# Altium PCB CameraControler0.5.PcbDoc (part 3 of 3)
Units mm, origin at the board's own origin, x right, y up, seen from the top; angles counter-clockwise.
Board outline 140 x 112 mm, 2 copper layers (Top Layer, Bottom Layer); 294 components, 219 nets, 919 pads, 337 vias.
Unrouted connection lines stored in the file: 194.
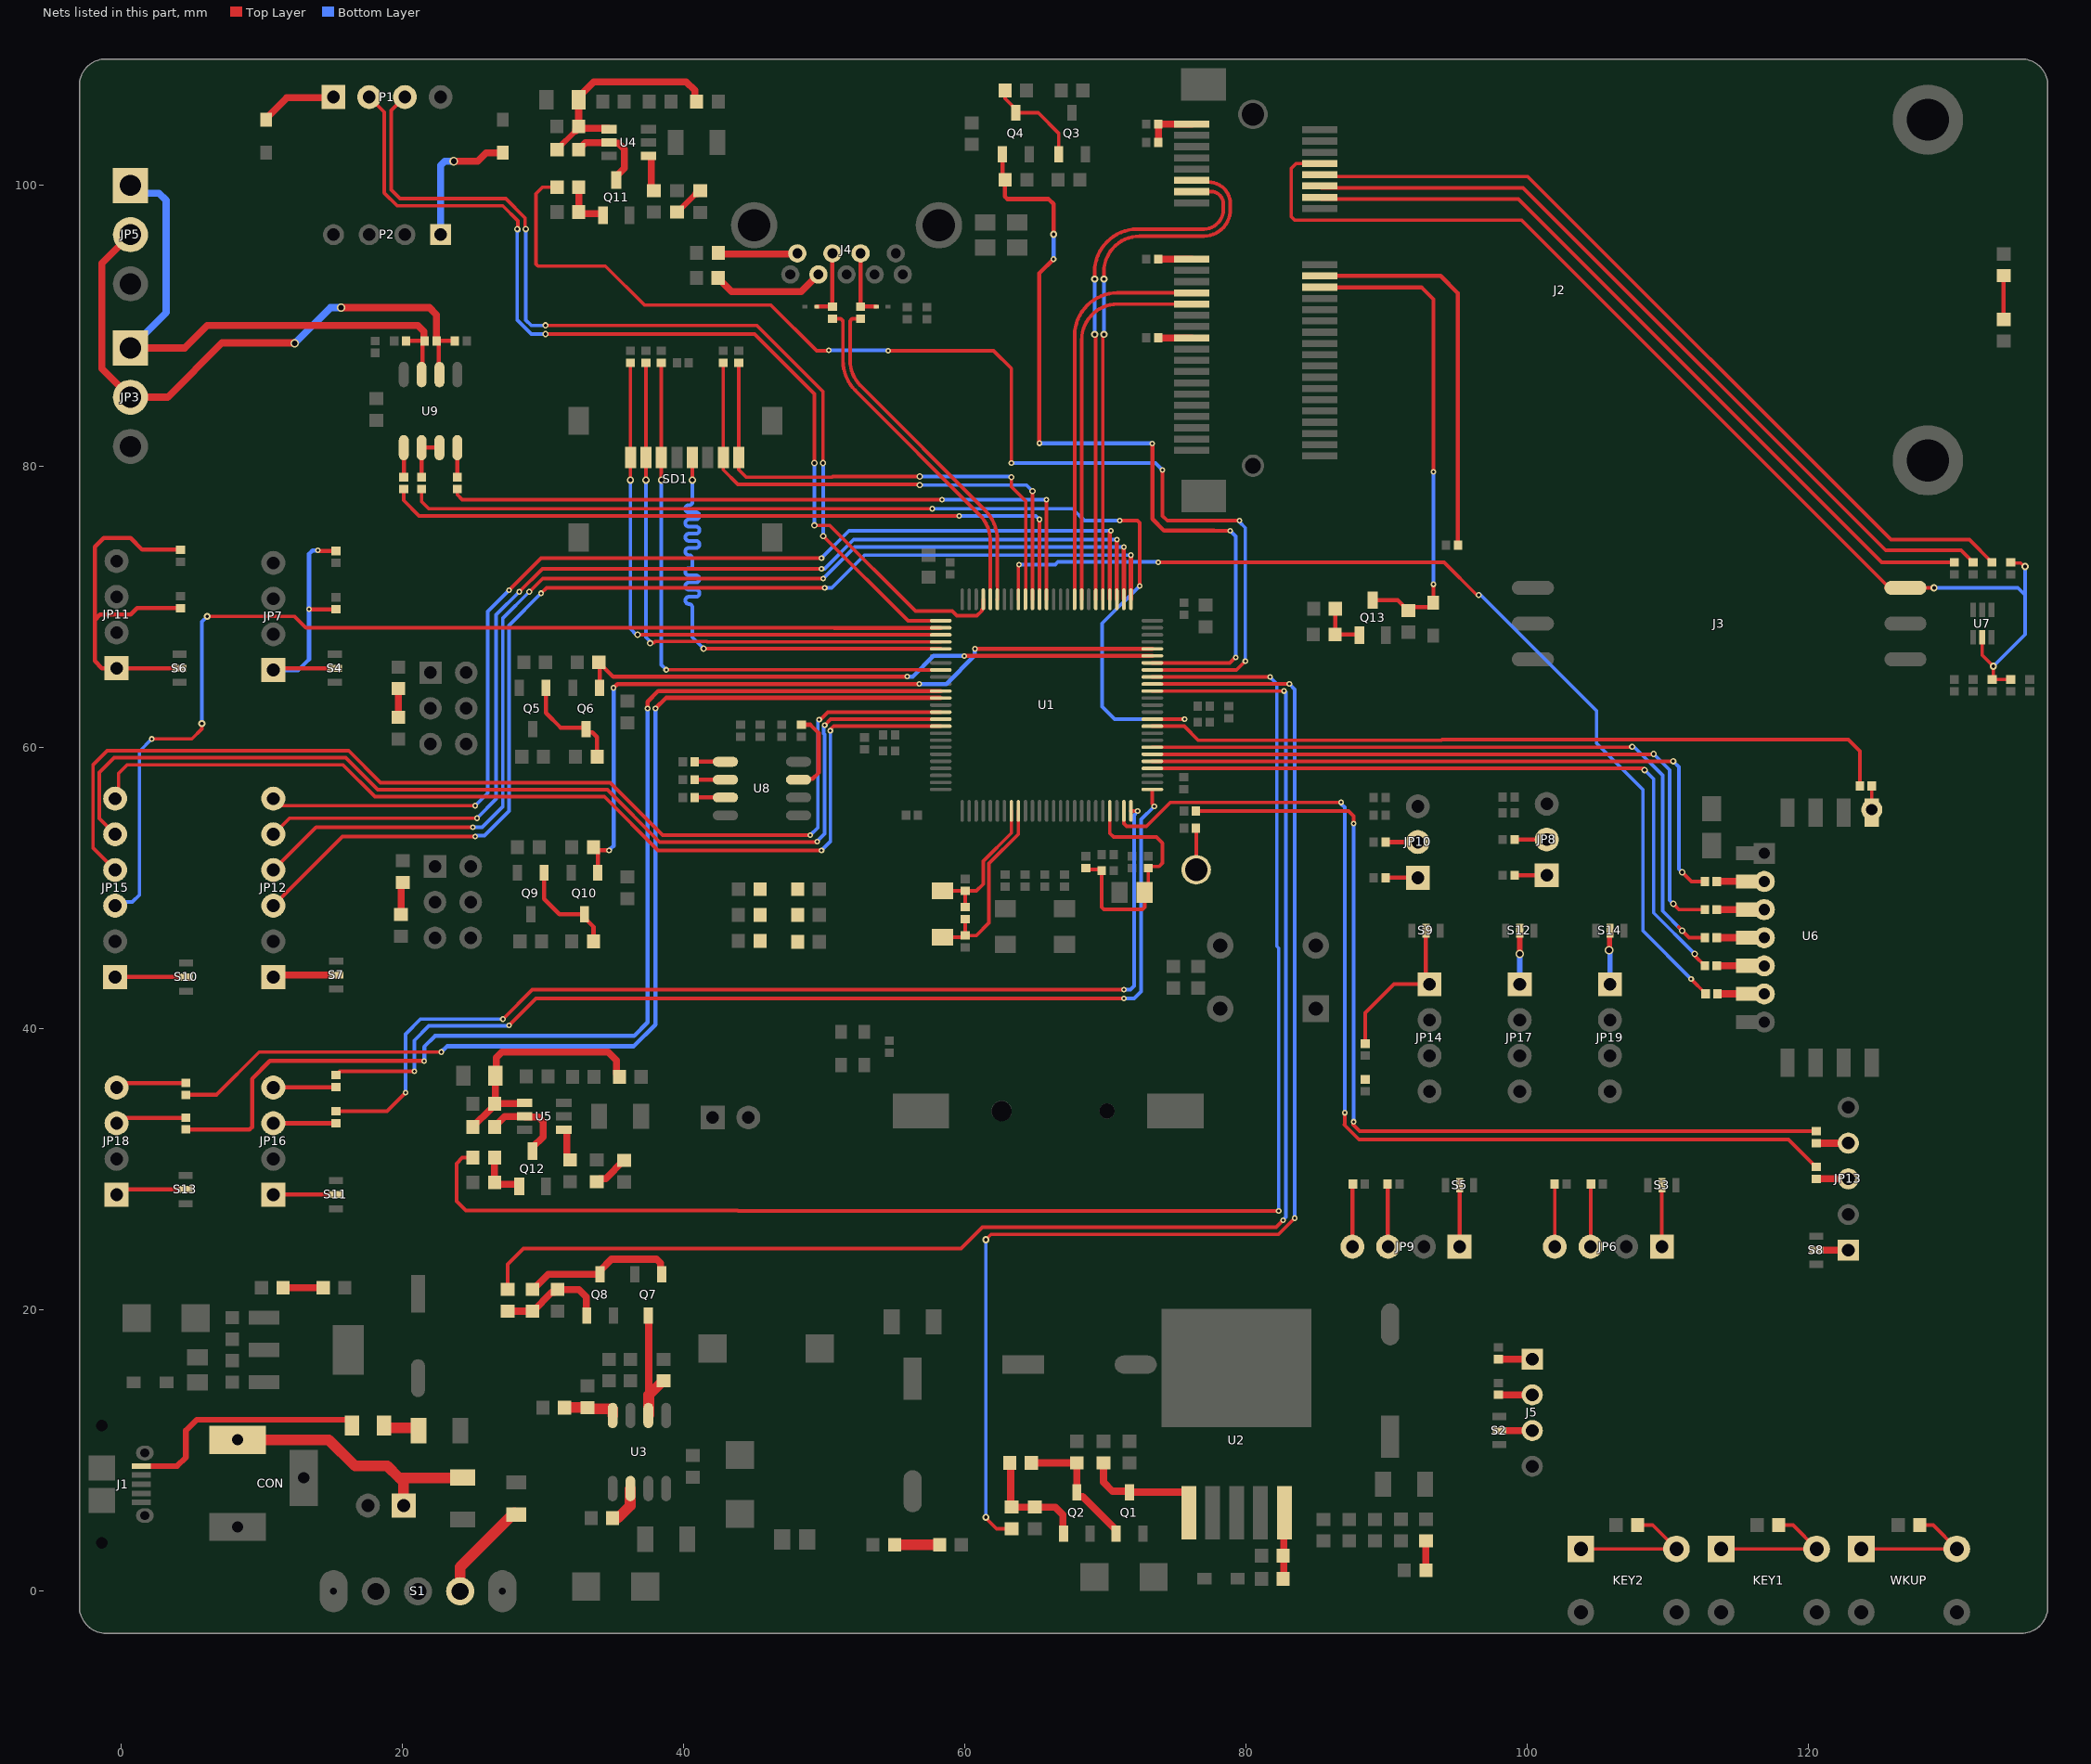
[diagram p3: the nets of this part, all layers, seen from the top]

## Via types
v1: diameter 0.406, hole 0.203, Top Layer to Bottom Layer, 143 vias
v2: diameter 0.6, hole 0.35, Top Layer to Bottom Layer, 60 vias
v3: diameter 0.61, hole 0.406, Top Layer to Bottom Layer, 42 vias
v4: diameter 0.508, hole 0.254, Top Layer to Bottom Layer, 33 vias
v5: diameter 0.457, hole 0.254, Top Layer to Bottom Layer, 26 vias
v6: diameter 0.508, hole 0.305, Top Layer to Bottom Layer, 20 vias
v7: diameter 0.406, hole 0.2, Top Layer to Bottom Layer, 7 vias
v8: diameter 4, hole 3, Top Layer to Bottom Layer, 4 vias
v9: diameter 0.508, hole 0.406, Top Layer to Bottom Layer, 2 vias

## Nets (pads, with @x,y where several pads share a name; then routed paths per layer and width w, separated by ;. In a path a pad name is that pad's centre, name@x,y a point inside that pad or via, vN(x,y) a via of type N, cw(c..) or ccw(c..) an arc to the next point about the centre after c; other vN are vias at no path point) (continued)
NetCON_1: CON.1 JP20.1 R26.1 | length 19.2
  Top Layer w0.762: CON.1@8.255,10.772 14.749,10.772 16.608,8.913 18.9,8.913 19.741,8.072 ; JP20.1@20.066,6.096 20.066,7.747 19.741,8.072 ; R26.1@24.257,8.094 24.235,8.072 19.741,8.072
NetD3_2: D3.2 P1.1 | length 5.5
  Top Layer w0.508: D3.2@10.287,104.685 10.287,104.77 11.756,106.239 15.02,106.239 P1.1@15.072,106.291
NetD4_2: D4.2 P2.1 | length 9.7
  Top Layer w0.508: v3(23.622,101.727) 25.341,101.727 25.939,102.325 D4.2@27.116,102.325
  Bottom Layer w0.508: P2.1@22.692,96.501 22.692,101.429 22.99,101.727 v3(23.622,101.727)
NetD14_1: D14.1 J4.3 R134.2 | length 4.9
  Top Layer w0.3: D14.1@49.442,91.379 R134.2@50.562,91.379 J4.3@50.562,95.171
NetD15_1: D15.1 J4.2 R133.2 | length 4.9
  Top Layer w0.3: J4.2@52.562,95.171 R133.2@52.562,91.379 D15.1@53.682,91.379
NetF1_1: F1.1 R25.1 | length 2.6
  Top Layer w0.762: F1.1@18.669,11.788 18.669,11.736 18.796,11.609 20.937,11.609 R25.1@21.116,11.43
NetF1_2: F1.2 J1.1 | length 17.7
  Top Layer w0.4: J1.1@1.408,8.913 3.96,8.913 4.572,9.525 4.572,11.43 5.337,12.195 16.075,12.195 16.383,11.887 F1.2@16.383,11.788
NetF3_1: F3.1 S1.3 | length 7.2
  Top Layer w0.762: S1.3@24.082,0 24.082,1.73 F3.1@27.94,5.588
NetF4_1: F4.1 R58.2 R59.2 R136.1 U4.4 | length 16.4
  Top Layer w0.4: R58.2@30.978,102.57 R59.2@32.295,103.887
  Top Layer w0.5: R58.2@30.978,102.545 R58.2@30.978,102.57 ; R59.2@32.295,103.887 32.295,103.981 R59.2@32.51,104.196 ; U4.4@34.674,104.003 34.624,104.053 32.653,104.053 R59.2@32.51,104.196 ; R136.1@40.9,105.974 40.765,106.109 40.765,106.763 40.157,107.371 33.589,107.371 32.51,106.291 F4.1@32.51,106.101 R59.2@32.51,104.196
NetF5_1: F5.1 R66.2 R68.2 R137.1 U5.4 | length 17.4
  Top Layer w0.5: R66.2@24.986,33.02 24.986,33.045 26.311,34.37 26.311,34.456 R68.2@26.526,34.671 ; R68.2@26.6,34.954 F5.1@26.6,36.675 26.667,36.742 26.667,37.973 27.048,38.354 34.618,38.354 35.196,37.776 35.196,36.803 R137.1@35.411,36.588 ; R68.2@26.852,34.702 28.626,34.702 U5.4@28.657,34.732
NetJ2_1: J2.1 R75.2 R82.2 | length 3.7
  Top Layer w0.5: R82.2@73.736,103.053 R75.2@73.736,104.361 J2.1@76.117,104.361
NetJ2_17: J2.17 R81.2 | length 2.4
  Top Layer w0.5: R81.2@73.736,94.761 J2.17@76.117,94.761
NetJ2_20: J2.20 R83.1 | length 28.2
  Top Layer w0.3: J2.20@85.217,93.561 93.815,93.561 95.04,92.336 R83.1@95.04,74.422
NetJ2_31: J2.31 R80.2 | length 2.4
  Top Layer w0.5: R80.2@73.736,89.161 J2.31@76.117,89.161
NetJ4_4: J4.4 R88.2 | length 5.7
  Top Layer w0.5: R88.2@42.44,95.201 42.523,95.119 48.01,95.119 J4.4@48.062,95.171
NetJ4_6: J4.6 R89.2 | length 8.1
  Top Layer w0.5: R89.2@42.426,93.417 42.426,93.392 42.641,93.177 42.666,93.177 43.387,92.456 48.347,92.456 J4.6@49.562,93.671
NetJ5_1: J5.1 R96.1 | length 2.4
  Top Layer w0.508: R96.1@97.917,16.51 J5.1@100.33,16.51
NetJ5_2: J5.2 R97.1 | length 2.4
  Top Layer w0.508: R97.1@97.917,13.97 J5.2@100.33,13.97
NetJ5_3: J5.3 S2.2 | length 2.3
  Top Layer w0.508: S2.2@97.99,11.43 J5.3@100.33,11.43
NetJP3_1: JP3.1 JP5.1 R90.1 R94.1 U9.7 | length 40.5
  Top Layer w0.3: R90.1@20.241,88.939 R94.1@21.55,88.939 ; U9.7@21.34,86.547 21.417,86.624 R94.1@21.417,88.806
  Top Layer w0.508: JP3.1@0.635,88.435 4.488,88.435 6.096,90.043 21.082,90.043 21.504,89.621 21.504,88.985 R94.1@21.55,88.939
  Bottom Layer w0.508: JP3.1@0.635,88.435 3.175,90.975 3.175,98.933 2.667,99.441 1.195,99.441 JP5.1@0.635,100.001
NetJP3_2: JP3.2 JP5.2 R92.1 R94.2 U9.6 | length 43.4
  Top Layer w0.3: U9.6@22.61,86.547 22.547,86.611 22.547,88.876 22.483,88.939 R92.1@23.709,88.939
  Top Layer w0.508: JP5.2@0.635,96.501 -1.397,94.469 -1.397,86.967 JP3.2@0.635,84.935 3.274,84.935 7.145,88.806 12.286,88.806 v3(12.319,88.773) ; v3(15.621,91.313) 21.892,91.313 22.4,90.805 R94.2@22.4,88.939
  Bottom Layer w0.508: v3(12.319,88.773) 14.859,91.313 v3(15.621,91.313)
NetJP6_1: JP6.1 S3.2 | length 4.4
  Top Layer w0.254: JP6.1@109.55,24.511 S3.2@109.55,28.883
NetJP6_3: JP6.3 R102.1 | length 4.5
  Top Layer w0.254: JP6.3@104.47,24.511 104.49,24.531 104.49,28.936 R102.1@104.509,28.956
NetJP6_4: JP6.4 R105.1 | length 4.4
  Top Layer w0.254: JP6.4@101.93,24.511 R105.1@101.93,28.956
NetJP7_1: JP7.1 R98.1 R99.1 S4.2 | length 18.5
  Top Layer w0.3: JP7.1@10.919,65.656 10.922,65.659 S4.2@15.167,65.659 ; v1(13.335,69.85) R98.1@15.24,69.85 ; v1@13.97,74.002 R99.1@15.24,74.002
  Bottom Layer w0.3: JP7.1@10.795,65.532 12.573,65.532 13.335,66.294 v1(13.335,69.85) 13.335,73.787 13.589,74.041 v1(13.97,74.041)
NetJP8_1: JP8.1 R100.1 | length 2.3
  Top Layer w0.3: R100.1@99.076,50.929 JP8.1@101.362,50.929
NetJP8_2: JP8.2 R103.1 | length 2.3
  Top Layer w0.3: R103.1@99.076,53.469 JP8.2@101.362,53.469
NetJP9_1: JP9.1 S5.2 | length 4.4
  Top Layer w0.3: JP9.1@95.16,24.511 S5.2@95.16,28.883
NetJP9_3: JP9.3 R112.1 | length 4.5
  Top Layer w0.3: R112.1@90.036,28.956 90.058,28.934 90.058,24.533 JP9.3@90.08,24.511
NetJP9_4: JP9.4 R113.1 | length 4.5
  Top Layer w0.3: JP9.4@87.54,24.511 87.56,24.531 87.56,28.936 R113.1@87.579,28.956
NetJP10_1: JP10.1 R106.1 | length 2.3
  Top Layer w0.3: R106.1@89.908,50.752 JP10.1@92.194,50.752
NetJP10_2: JP10.2 R108.1 | length 2.3
  Top Layer w0.3: R108.1@89.908,53.292 JP10.2@92.194,53.292
NetJP11_1: JP11.1 R110.1 R111.1 S6.2 | length 27.5
  Top Layer w0.3: S6.2@4.118,65.659 -0.254,65.659 -1.397,65.659 -1.905,66.167 -1.905,69.088 ; R110.1@4.191,69.933 1.099,69.933 0.635,69.469 -1.524,69.469 -1.905,69.088 ; R111.1@4.191,74.085 1.48,74.085 0.635,74.93 -1.27,74.93 -1.905,74.295 -1.905,69.088
NetJP12_1: JP12.1 S7.2 | length 4.5
  Top Layer w0.5: JP12.1@10.795,43.688 10.938,43.831 S7.2@15.268,43.831
NetJP13_1: JP13.1 S8.2 | length 2.3
  Top Layer w0.508: S8.2@120.523,24.257 JP13.1@122.809,24.257
NetJP13_3: JP13.3 R115.1 | length 2.3
  Top Layer w0.508: R115.1@120.523,29.337 JP13.3@122.809,29.337
NetJP13_4: JP13.4 R117.1 | length 2.3
  Top Layer w0.508: R117.1@120.523,31.877 JP13.4@122.809,31.877
NetJP14_1: JP14.1 R114.1 R116.1 S9.2 | length 11.5
  Top Layer w0.254: R114.1@88.456,38.95 88.456,41.142 90.493,43.18 JP14.1@93.027,43.18
  Top Layer w0.3: S9.2@92.773,46.99 92.773,43.434 JP14.1@93.027,43.18
NetJP15_1: JP15.1 S10.2 | length 5.1
  Top Layer w0.3: JP15.1@-0.457,43.688 S10.2@4.6,43.688
NetJP16_1: JP16.1 S11.2 | length 4.4
  Top Layer w0.3: JP16.1@10.795,28.211 S11.2@15.24,28.211
NetJP16_3: JP16.3 R118.1 | length 4.4
  Top Layer w0.3: JP16.3@10.795,33.291 R118.1@15.24,33.291
NetJP16_4: JP16.4 R119.1 | length 4.5
  Top Layer w0.3: JP16.4@10.795,35.831 10.815,35.85 15.221,35.85 R119.1@15.24,35.87
NetJP17_1: JP17.1 S12.2 | length 3.8
  Top Layer w0.381: v3(99.441,45.339) S12.2@99.441,46.99
  Bottom Layer w0.381: JP17.1@99.441,43.18 v3(99.441,45.339)
NetJP18_1: JP18.1 S13.2 | length 4.9
  Top Layer w0.3: JP18.1@-0.356,28.575 S13.2@4.552,28.575
NetJP18_3: JP18.3 R120.1 | length 4.9
  Top Layer w0.3: JP18.3@-0.356,33.655 -0.334,33.677 4.55,33.677 R120.1@4.572,33.699
NetJP18_4: JP18.4 R121.1 | length 4.9
  Top Layer w0.3: JP18.4@-0.356,36.195 -0.317,36.156 R121.1@4.572,36.156
NetJP19_1: JP19.1 S14.2 | length 3.9
  Top Layer w0.381: v3(105.791,45.593) 105.823,45.625 105.823,46.958 S14.2@105.855,46.99
  Bottom Layer w0.381: v3(105.791,45.593) 105.855,45.529 JP19.1@105.855,43.18
NetKEY1_1: KEY1.1 R18.2 | length 10.2
  Top Layer w0.254: KEY1.1@113.757,3.012 KEY1.1@120.557,3.012 118.87,4.699 R18.2@117.864,4.699
NetKEY2_1: KEY2.1 R19.2 | length 10.3
  Top Layer w0.254: KEY2.1@103.788,3.012 KEY2.1@110.588,3.012 108.901,4.699 R19.2@107.831,4.699
NetLED1_K: LED1.K R12.2
NetLED2_K: LED2.K R13.2
NetLED3_K: LED3.K R14.2
NetLED10_A: LED10.A R72.1 | length 3.1
  Top Layer w0.3: LED10.A@133.858,90.468 R72.1@133.858,93.583
NetLED11_A: LED11.A R27.1 | length 2.1
  Top Layer w0.508: LED11.A@92.766,1.487 R27.1@92.766,3.582
NetLED12_A: LED12.A R43.1 | length 3.2
  Top Layer w0.762: R43.1@54.985,3.302 LED12.A@58.182,3.302
NetLED13_A: LED13.A R60.1 | length 2.3
  Top Layer w0.4: R60.1@39.528,98.1 LED13.A@40.837,99.409
  Top Layer w0.5: R60.1@39.503,98.1 R60.1@39.528,98.1 ; LED13.A@40.837,99.409 40.939,99.409 LED13.A@41.154,99.624
NetLED14_A: LED14.A R67.1 | length 2.6
  Top Layer w0.5: R67.1@33.808,29.144 34.023,29.359 34.429,29.359 35.726,30.656 LED14.A@35.751,30.656
NetLED15_A: LED15.A R46.1 | length 2.3
  Top Layer w0.508: LED15.A@19.88,48.133 19.88,50.292 R46.1@20.007,50.419
NetLED16_A: LED16.A R54.1 | length 2
  Top Layer w0.508: LED16.A@19.689,62.17 R54.1@19.689,64.202
NetLED18_A: LED18.A R126.1 | length 2.8
  Top Layer w0.5: LED18.A@11.494,21.59 R126.1@14.343,21.59
NetQ1_1: Q1.1 Q2.3 R32.1 R34.2 | length 9.6
  Top Layer w0.508: R34.2@64.707,9.126 R32.1@67.94,9.126 Q2.3@67.94,7.048 67.94,6.798 68.011,6.727 68.355,6.727 70.734,4.348 Q1.1@70.734,4.098
NetQ1_3: Q1.3 R29.1 U2.1 | length 9
  Top Layer w0.508: R29.1@69.84,9.126 69.84,7.758 70.485,7.113 71.619,7.113 Q1.3@71.684,7.048 75.633,7.048 75.904,6.777 U2.1@75.904,5.573
NetQ2_1: Q2.1 R34.1 R36.2 R38.2 | length 8.4
  Top Layer w0.508: R34.1@63.167,9.126 63.235,9.058 63.235,6.05 R36.2@63.302,5.983 R38.2@64.953,5.983 66.407,5.983 66.955,5.435 66.955,4.133 Q2.1@66.99,4.098
NetQ3_1: Q3.1 Q4.3 R35.1 | length 7.7
  Top Layer w0.254: R35.1@62.846,107.117 62.846,106.176 63.419,105.603 63.601,105.421 Q4.3@63.601,105.171 65.198,105.171 66.649,103.721 Q3.1@66.649,102.221 ; Q4.3@63.425,105.609 Q4.3@63.601,105.433
NetQ5_1: Q5.1 Q6.3 R42.1 | length 8.1
  Top Layer w0.3: Q5.1@30.189,64.265 30.189,62.476 31.224,61.44 32.874,61.44 32.874,61.74 33.049,61.565 Q6.3@33.049,61.315 33.049,61.267 33.224,61.092 33.486,61.092 33.819,60.759 R42.1@33.819,59.37
NetQ7_1: Q7.1 Q8.3 R48.2 | length 11.1
  Top Layer w0.5: R48.2@29.229,21.463 29.254,21.463 30.348,22.557 Q8.3@34.036,22.557 ; 34.851,23.622 38.047,23.622 38.34,23.329 38.34,22.632 Q7.1@38.415,22.557
  Top Layer w0.508: Q8.3@34.036,22.557 34.036,22.807 34.851,23.622
NetQ7_3: Q7.3 R45.2 U3.2 | length 8.6
  Top Layer w0.508: Q7.3@37.465,19.607 37.496,19.576 37.496,13.952
  Top Layer w0.762: U3.2@37.465,12.506 37.496,12.537 37.496,13.952 38.522,14.978 R45.2@38.547,14.978
NetQ8_1: Q8.1 R48.1 R50.2 R52.2 | length 7.8
  Top Layer w0.5: R50.2@27.451,19.923 R48.1@29.229,19.923 29.254,19.923 30.579,21.248 30.792,21.248 R52.2@31.007,21.463 32.512,21.463 33.043,20.932 33.043,19.65 Q8.1@33.086,19.607
NetQ9_1: Q9.1 Q10.3 R55.1 | length 7.4
  Top Layer w0.3: Q9.1@30.057,51.114 30.057,49.244 31.137,48.164 Q10.3@32.925,48.164 32.925,47.914 33.568,47.271 R55.1@33.568,46.219
NetQ11_1: Q11.1 R63.2 R64.1 | length 3.6
  Top Layer w0.5: R63.2@32.518,99.878 R64.1@32.518,98.1 32.625,97.993 34.135,97.993 34.235,97.893 Q11.1@34.235,97.886
NetQ11_3: Q11.3 R58.1 U4.5 | length 6.1
  Top Layer w0.5: R58.1@32.518,102.545 32.518,102.57 33.001,103.053 U4.5@34.674,103.053 34.724,103.003 35.326,103.003 35.759,102.57 35.759,101.235 35.185,100.661 Q11.3@35.185,100.386
NetQ12_1: Q12.1 R70.2 R71.1 | length 3.7
  Top Layer w0.5: R70.2@26.526,30.841 R71.1@26.526,29.083 26.667,28.942 28.19,28.942 28.29,28.842 Q12.1@28.29,28.801
NetQ12_3: Q12.3 R66.1 U5.5 | length 6.4
  Top Layer w0.5: R66.1@26.526,33.02 26.526,33.045 27.263,33.782 U5.5@28.657,33.782 28.707,33.732 29.655,33.732 29.986,33.401 29.986,32.322 29.24,31.576 Q12.3@29.24,31.301
NetQ13_1: Q13.1 R73.2 R74.1 | length 3.6
  Top Layer w0.3: R73.2@86.324,69.886 86.324,68.08 R74.1@86.305,68.061 87.973,68.061 Q13.1@88.033,68.001
  Top Layer w0.508: R73.2@86.314,69.876 R73.2@86.324,69.886
NetR5_2: R5.2 TPH.1 | length 3.5
  Top Layer w0.254: R5.2@76.415,54.273 76.434,54.253 76.434,50.828 TPH.1@76.454,50.808
NetR17_2: R17.2 WKUP.1 | length 10.1
  Top Layer w0.254: WKUP.1@123.727,3.012 WKUP.1@130.527,3.012 128.84,4.699 R17.2@127.897,4.699
NetR30_1: R30.1 R33.2 U2.5 | length 4.7
  Top Layer w0.508: R33.2@82.614,0.887 82.659,0.932 82.659,5.528 U2.5@82.704,5.573
NetR40_1: R40.1 R47.2 U3.4 | length 3.9
  Top Layer w0.762: R40.1@31.504,13.065 33.112,13.065 33.196,12.981 34.894,12.981 34.925,12.95 U3.4@34.925,12.506
NetR51_1: R51.1 U3.6 | length 4.1
  Top Layer w0.762: R51.1@34.933,5.207 35.306,5.207 36.164,6.065 36.164,7.275 U3.6@36.195,7.306 36.195,6.072
NetR61_1: R61.1 U4.1 | length 2.7
  Top Layer w0.5: U4.1@37.474,102.103 37.613,102.103 37.663,102.053 37.663,99.829 R61.1@37.852,99.64
NetR69_1: R69.1 U5.1 | length 2.4
  Top Layer w0.5: U5.1@31.457,32.832 31.63,32.832 31.68,32.782 31.68,30.899 31.895,30.684 R69.1@31.903,30.684
NetR85_1: R85.1 U8.1 | length 2.2
  Top Layer w0.3: R85.1@40.768,59.003 U8.1@42.95,59.003
NetR86_1: R86.1 U8.2 | length 2.2
  Top Layer w0.3: R86.1@40.768,57.733 U8.2@42.95,57.733
NetR87_1: R87.1 U8.3 | length 2.2
  Top Layer w0.3: R87.1@40.768,56.463 U8.3@42.95,56.463
NetR91_2: R91.2 U9.1 | length 2.1
  Top Layer w0.3: R91.2@20.07,79.248 U9.1@20.07,81.347
NetR93_2: R93.2 U9.2 U9.3 | length 3.4
  Top Layer w0.3: R93.2@21.34,79.248 U9.2@21.34,81.347 U9.3@22.61,81.347
NetR95_2: R95.2 U9.4 | length 2.1
  Top Layer w0.3: R95.2@23.88,79.248 U9.4@23.88,81.347
NetR122_2: R122.2 U8.7 | length 5.9
  Top Layer w0.3: U8.7@48.15,57.733 48.227,57.81 49.173,57.81 49.575,58.212 49.575,61.045 48.979,61.641 R122.2@48.344,61.641
NetR127_2: R127.2 U6.2 | length 2.2
  Top Layer w0.5: R127.2@113.455,50.492 U6.2@115.683,50.492
NetR128_2: R128.2 U6.3 | length 2.2
  Top Layer w0.5: R128.2@113.455,48.488 R128.2@113.455,48.488 115.681,48.49 U6.3@115.683,48.492
NetR129_2: R129.2 U6.4 | length 2.2
  Top Layer w0.5: R129.2@113.455,46.492 U6.4@115.683,46.492
NetR130_2: R130.2 U6.5 | length 2.2
  Top Layer w0.5: R130.2@113.455,44.492 U6.5@115.683,44.492
NetR131_2: R131.2 U6.6 | length 2.3
  Top Layer w0.508: R131.2@113.509,42.492 U6.6@115.828,42.492
NetR135_1: R135.1 U6.12 | length 1.9
  Top Layer w0.254: U6.12@124.478,55.392 U6.12@124.478,55.592 R135.1@124.478,57.277
OSC32_IN: C16.1 R11.2 U1.8 Y2.2 | length 10.3
  Top Layer w0.254: Y2.2@58.388,49.827 58.401,49.814 C16.1@60.001,49.814 ; R11.2@60.001,48.657 C16.1@60.001,49.814 ; U1.8@63.286,55.511 63.286,53.936 61.286,51.936 61.286,50.308 60.792,49.814 C16.1@60.001,49.814
OSC32_OUT: C17.1 R11.1 U1.9 Y2.1 | length 13.7
  Top Layer w0.254: Y2.1@58.388,46.527 59.879,46.527 C17.1@60.001,46.649 ; R11.1@60.001,47.807 C17.1@60.001,46.649 ; U1.9@63.786,55.511 63.786,53.862 61.697,51.772 61.697,47.548 60.786,46.637 60.013,46.637 C17.1@60.001,46.649
PRESET: C45.2 D13.2 J2.22 Q13.3 | length 34.9
  Top Layer w0.254: C45.2@91.498,69.767 C45.2@91.523,69.767 C45.2@91.769,70.013 ; 92.456,92.761 93.301,91.916 v1(93.301,79.629) ; D13.2@92.986,70.013 D13.2@93.301,70.328 v1(93.301,71.628)
  Top Layer w0.3: J2.22@85.217,92.761 92.456,92.761 ; Q13.3@88.983,70.501 90.764,70.501 C45.2@91.498,69.767 ; C45.2@91.769,70.013 D13.2@92.986,70.013
  Bottom Layer w0.254: v1(93.301,71.628) v1(93.301,79.629)
PWRER_CAM: R63.1 U1.43 | length 87.2
  Top Layer w0.254: R63.1@30.978,99.878 29.939,99.878 29.47,99.409 29.47,94.417 29.619,94.268 34.407,94.268 37.187,91.488 46.187,91.488 49.442,88.233 50.26,88.233 v1(50.292,88.265) ; v1(54.522,88.233) 62.028,88.233 63.286,86.975 v1(63.286,80.264) ; U1.43@73.311,65.536 79.293,65.536 v1(79.924,66.167) ; v1(74.041,79.756) 74.041,76.498 74.378,76.161 v1(79.502,76.161)
  Bottom Layer w0.254: v1(50.292,88.265) 54.49,88.265 v1(54.522,88.233) ; v1(63.286,80.264) 73.533,80.264 v1(74.041,79.756) ; v1(79.502,76.161) 79.502,76.073 79.924,75.651 v1(79.924,66.167)
PWRER_MIC: R36.1 U1.41 | length 92.4
  Top Layer w0.254: v4(61.468,5.261) 61.468,5.207 62.232,4.443 R36.1@63.302,4.443 ; v4(61.468,25.001) 61.468,25.019 61.836,25.387 82.281,25.387 v1(83.436,26.543) ; U1.41@73.311,64.536 79.248,64.536 ; 79.268,64.536 v1(83.058,64.536)
  Bottom Layer w0.254: v4(61.468,5.261) v4(61.468,25.001) ; v1(83.058,64.536) 83.436,64.158 83.436,26.584 v1(83.436,26.543)
PWRER_MP: R50.1 U1.40 | length 105.3
  Top Layer w0.254: R50.1@27.451,21.463 27.451,23.26 28.575,24.384 59.704,24.384 61.215,25.895 82.106,25.895 v1(82.614,26.403) ; U1.40@73.311,64.036 v1(82.677,64.036)
  Bottom Layer w0.254: v1(82.614,26.403) 82.614,26.445 82.804,26.635 v1@82.804,63.953 ; v1@82.648,64.007 v1(82.677,64.036)
PWRER_OUT: R70.1 U1.42 | length 109.4
  Top Layer w0.254: R70.1@24.986,30.841 24.237,30.841 23.823,30.427 23.823,27.739 24.482,27.08 43.818,27.08 43.847,27.051 v1(82.296,27.051) ; U1.42@73.311,65.036 v1(81.679,65.036)
  Bottom Layer w0.254: v1(81.679,65.036) 81.679,65.026 82.169,64.536 82.169,45.878 82.296,45.751 v1(82.296,27.051)
PWRER_OUT3.3: Q6.1 R49.2 U1.45 | length 42.2
  Top Layer w0.3: R49.2@33.946,66.084 33.946,66.059 R49.2@33.999,66.006 ; Q6.1@33.999,64.265 R49.2@33.999,66.006 ; v1(55.88,65.065) 38.967,65.065 38.944,65.042 34.963,65.042 R49.2@33.999,66.006 ; v1(59.944,66.536) 59.95,66.53 73.305,66.53 U1.45@73.311,66.536
  Bottom Layer w0.3: v1(55.88,65.065) 56.275,65.065 57.746,66.536 v1(59.944,66.536)
PWRER_OUT5: Q10.1 R62.2 U1.46 | length 54.2
  Top Layer w0.3: R62.2@33.568,52.933 R62.2@33.797,52.705 ; Q10.1@33.875,51.114 33.875,52.626 R62.2@33.797,52.705 ; v1(34.671,52.705) R62.2@33.797,52.705 ; v1(34.99,64.265) 35.261,64.536 v1(56.737,64.536) ; v1(60.707,67.036) U1.46@73.311,67.036
  Bottom Layer w0.3: v1(34.671,52.705) 34.99,53.024 v1(34.99,64.265) ; v1(56.737,64.536) 58.659,64.536 60.687,66.564 60.687,67.016 v1(60.707,67.036)
PWRER_USB: Q4.1 R39.2 U1.44 | length 58.8
  Top Layer w0.254: U1.44@73.311,66.036 78.822,66.036 79.207,66.421 v1(79.248,66.421) ; 77.724,75.438 v1(78.859,75.438)
  Top Layer w0.3: Q4.1@62.651,102.221 62.651,100.597 R39.2@62.846,100.402 62.831,100.387 62.831,99.21 63.007,99.034 65.931,99.034 66.286,98.679 66.286,96.528 v4(66.294,96.52) ; v1(65.278,81.661) 65.278,93.753 v1(66.286,94.761) ; v1(73.313,81.65) 73.313,76.282 74.157,75.438 77.724,75.438
  Bottom Layer w0.254: v1(78.859,75.438) 79.248,75.049 v1(79.248,66.421)
  Bottom Layer w0.3: v1(65.278,81.661) 65.289,81.65 v1(73.313,81.65) ; v1(66.286,94.761) 66.294,94.769 v4(66.294,96.52)
RS485_RE: R93.1 U1.36 | length 75.3
  Top Layer w0.254: R93.1@21.34,78.398 21.34,77.527 21.861,77.006 v1(57.658,77.006) ; v1(70.991,76.161) 72.246,76.161 72.406,76.001 v1(72.406,71.515) ; U1.36@73.311,62.036 v1(75.601,62.036)
  Bottom Layer w0.254: v1(57.658,77.006) 67.647,77.006 68.492,76.161 v1(70.991,76.161) ; v1(72.406,71.515) 72.404,71.515 69.743,68.854 69.743,62.918 70.626,62.036 v1(75.601,62.036)
SDIO_CMD: R22.2 SD1.3 U1.83 | length 41.5
  Top Layer w0.254: v6(38.396,79.038) SD1.3@38.396,80.652 R22.2@38.396,87.383 ; v1(38.735,65.548) 56.642,65.548 56.654,65.536 U1.83@58.261,65.536
  Bottom Layer w0.254: v6(38.396,79.038) 38.396,65.887 v1(38.735,65.548)
SDIO_D0: R23.2 SD1.7 U1.65 | length 37.9
  Top Layer w0.254: R23.2@42.796,87.383 SD1.7@42.796,80.652 42.796,79.775 43.831,78.74 56.737,78.74 56.769,78.708 v5(56.769,78.689) ; U1.65@64.786,70.561 v5(64.786,78.256)
  Bottom Layer w0.254: v5(56.769,78.689) 64.353,78.689 v5(64.786,78.256)
SDIO_D1: R24.2 SD1.8 U1.66 | length 36.3
  Top Layer w0.254: R24.2@43.896,87.383 SD1.8@43.896,80.652 43.896,79.775 44.423,79.248 50.543,79.248 50.594,79.299 v5(56.769,79.299) ; v5(63.286,79.248) 63.286,78.57 64.307,77.55 64.307,70.582 U1.66@64.286,70.561
  Bottom Layer w0.254: v5(56.769,79.299) v5@63.279,79.299
SDIO_D2: R20.2 SD1.1 U1.78 | length 41.2
  Top Layer w0.254: v6(36.196,79.038) SD1.1@36.196,80.652 R20.2@36.196,87.383 ; v5(36.703,68.036) U1.78@58.261,68.036
  Bottom Layer w0.254: v6(36.196,79.038) 36.196,68.452 36.576,68.072 v5@36.703,68.072
SDIO_D3: R21.2 SD1.2 U1.79 | length 40.7
  Top Layer w0.254: v6(37.296,79.038) SD1.2@37.296,80.652 R21.2@37.296,87.383 ; v5(37.592,67.437) 37.631,67.476 37.863,67.476 37.947,67.56 41.612,67.56 41.636,67.536 U1.79@58.261,67.536
  Bottom Layer w0.254: v6(37.296,79.038) 37.296,67.86 v5@37.62,67.536
SDIO_SCK: SD1.5 U1.80 | length 40.1
  Top Layer w0.254: v6(40.596,79.038) SD1.5@40.596,80.652 ; v5(41.402,67.052) 58.245,67.052 U1.80@58.261,67.036
  Bottom Layer w0.254: v6(40.596,79.038) 40.596,77.47 cw(c40.386,77.47) 40.386,77.26 40.342,77.26 ccw(c40.342,77.006) 40.088,77.006 ccw(c40.342,77.006) 40.342,76.752 40.596,76.752 40.85,76.752 cw(c40.85,76.498) 41.104,76.498 cw(c40.85,76.498) 40.85,76.244 40.596,76.244 40.342,76.244 ccw(c40.342,75.99) 40.088,75.99 ccw(c40.342,75.99) 40.342,75.736 40.596,75.736 40.85,75.736 cw(c40.85,75.482) 41.104,75.482 cw(c40.85,75.482) 40.85,75.228 40.596,75.228 40.342,75.228 ccw(c40.342,74.974) 40.088,74.974 ccw(c40.342,74.974) 40.342,74.72 40.596,74.72 40.85,74.72 cw(c40.85,74.466) 41.104,74.466 cw(c40.85,74.466) 40.85,74.212 40.596,74.212 40.342,74.212 ccw(c40.342,73.958) 40.088,73.958 ccw(c40.342,73.958) 40.342,73.704 cw(c40.342,73.45) 40.596,73.45 40.596,72.771 40.342,72.771 ccw(c40.342,72.517) 40.088,72.517 ccw(c40.342,72.517) 40.342,72.263 40.596,72.263 40.85,72.263 cw(c40.85,72.009) 41.104,72.009 cw(c40.85,72.009) 40.85,71.755 40.596,71.755 40.342,71.755 ccw(c40.342,71.501) 40.088,71.501 ccw(c40.342,71.501) 40.342,71.247 40.596,71.247 40.85,71.247 cw(c40.85,70.993) 41.104,70.993 cw(c40.85,70.993) 40.85,70.739 40.596,70.739 40.342,70.739 ccw(c40.342,70.485) 40.088,70.485 ccw(c40.342,70.485) 40.342,70.231 cw(c40.342,69.977) 40.596,69.977 40.596,67.862 41.402,67.056 v5(41.402,67.052)
SPI2_CSN: JP12.3 U1.51 | length 82.2
  Top Layer w0.254: JP12.3@10.795,48.768 15.723,53.696 v1(25.146,53.696) ; v1(29.845,70.993) 30.226,71.374 v1(50.016,71.374)
  Top Layer w0.3: U1.51@71.786,70.561 71.797,70.572 71.786,70.583 v1(71.786,73.704)
  Bottom Layer w0.254: v1(25.146,53.696) 25.197,53.746 25.803,53.746 27.559,55.503 27.559,68.707 v1(29.845,70.993) ; v1(50.016,71.374) 50.514,71.374 52.844,73.704 v1(71.786,73.704)
SPI2_MISO: JP12.5 U1.53 | length 80.6
  Top Layer w0.254: JP12.5@10.795,53.848 11.938,54.991 v1(25.273,54.991) ; v1(28.291,71.097) 29.926,72.732 v1(49.784,72.732)
  Top Layer w0.3: U1.53@70.786,70.561 70.78,70.567 70.78,74.797 v1(70.786,74.803)
  Bottom Layer w0.254: v1(25.273,54.991) 26.645,56.363 26.645,69.451 v1(28.291,71.097) ; v1(49.784,72.732) 49.999,72.732 52.07,74.803 v1(70.786,74.803)
SPI2_MOSI: JP12.6 U1.54 | length 80.4
  Top Layer w0.254: JP12.6@10.795,56.388 11.303,55.88 v1(25.146,55.88) ; v1(27.559,71.215) 29.828,73.483 v1(49.784,73.483)
  Top Layer w0.3: U1.54@70.286,70.561 70.28,70.567 70.28,75.332 70.358,75.409 v1(70.358,75.438)
  Bottom Layer w0.254: v1(25.146,55.88) 26.035,56.769 26.035,69.691 v1(27.559,71.215) ; v1(49.784,73.483) 51.739,75.438 v1(70.358,75.438)
SPI2_SCLK: JP12.4 U1.52 | length 81.6
  Top Layer w0.254: JP12.4@10.795,51.308 13.843,54.356 v1(24.986,54.356) ; v1(28.997,71.097) 29.009,71.097 29.952,72.041 v1(49.911,72.041)
  Top Layer w0.3: U1.52@71.286,70.561 71.292,70.567 71.292,73.483 71.28,73.495 71.28,73.913 71.286,73.919 v1(71.286,74.289)
  Bottom Layer w0.254: v1(24.986,54.356) 25.654,54.356 27.12,55.822 27.12,69.22 v1(28.997,71.097) ; v1(49.911,72.041) 52.16,74.289 v1(71.286,74.289)
SPI3_CSN: JP15.3 U1.77 | length 78
  Top Layer w0.254: v1(2.159,60.63) 5.004,60.63 5.715,61.341 v4(5.715,61.722) ; v4(6.096,69.342) 12.319,69.342 13.117,68.544 43.579,68.544 43.587,68.536 50.673,68.536
  Top Layer w0.3: 50.673,68.536 U1.77@58.261,68.536
  Bottom Layer w0.254: JP15.3@-0.457,48.768 -0.203,49.022 0.762,49.022 1.27,49.53 1.27,59.741 v1(2.159,60.63) ; v4(5.715,61.722) 5.715,68.961 v4(6.096,69.342)
SPI3_MISO: JP15.5 U1.90 | length 75.8
  Top Layer w0.254: JP15.5@-0.457,53.848 -1.587,54.977 -1.587,58.23 -0.531,59.286 15.953,59.286 18.222,57.017 34.548,57.017 38.268,53.297 49.453,53.297 v1(49.468,53.313) ; v1(50.016,61.617) 50.435,62.036 U1.90@58.261,62.036
  Bottom Layer w0.254: v1(49.468,53.313) 49.468,53.353 50.005,53.89 50.005,60.946 49.928,61.022 49.928,61.53 v1(50.016,61.617)
SPI3_MOSI: JP15.6 U1.91 | length 71.5
  Top Layer w0.254: JP15.6@-0.457,56.388 -0.21,56.635 -0.21,58.166 0.408,58.784 15.745,58.784 18.014,56.515 34.341,56.515 38.151,52.705 v1(49.784,52.705) ; v1(50.411,61.222) 50.375,61.258 50.375,61.267 50.643,61.534 55.932,61.534 55.934,61.536 U1.91@58.261,61.536
  Bottom Layer w0.254: v1(49.784,52.705) 50.411,53.332 v1(50.411,61.222)
SPI3_SCLK: JP15.4 U1.89 | length 79.4
  Top Layer w0.254: JP15.4@-0.457,51.308 -2.032,52.883 -2.032,58.778 -1.024,59.786 16.16,59.786 18.429,57.517 34.756,57.517 38.493,53.78 v1(48.979,53.78) ; v1(49.621,62.012) 49.658,61.975 49.667,61.975 50.228,62.536 U1.89@58.261,62.536
  Bottom Layer w0.254: v1(48.979,53.78) 49.522,54.323 49.522,61.914 v1(49.621,62.012)
SWCLK: P1.3 U1.76 | length 69
  Top Layer w0.254: P1.3@20.152,106.291 19.187,105.326 19.187,99.685 19.812,99.06 27.327,99.06 28.702,97.685 28.702,96.952 v5(28.753,96.901) ; v5(30.153,90.043) 45.179,90.043 49.886,85.336 v5(49.886,80.257) ; v5(49.911,75.057) 55.932,69.036 U1.76@58.261,69.036
  Bottom Layer w0.254: v5(28.753,96.901) 28.753,90.424 29.134,90.043 v5(30.153,90.043) ; v5(49.886,80.257) 49.911,80.232 v5(49.911,75.057)
SWDIO: P1.2 U1.72 | length 73.1
  Top Layer w0.254: P1.2@17.612,106.291 18.679,105.225 18.679,99.475 19.602,98.552 27.116,98.552 28.194,97.474 28.194,96.952 v5(28.143,96.901) ; v5(30.153,89.433) 45.016,89.433 49.276,85.174 v5(49.276,80.264) ; v5(49.276,75.819) 50.375,75.819 56.471,69.723 59.078,69.723 59.413,69.388 60.835,69.388 61.19,69.743 61.19,69.819 61.286,69.915 U1.72@61.286,70.561
  Bottom Layer w0.254: v5@28.245,96.799 v5(28.143,96.901) 28.143,90.424 29.134,89.433 v5(30.153,89.433) ; v5(49.276,75.819) v5(49.276,80.264)
UART2_RXD_1: R119.2 U1.26 | length 75.8
  Top Layer w0.254: R119.2@15.24,36.72 15.513,36.993 v1(20.832,36.993) ; v1(27.569,40.249) 29.484,42.164 v1(71.286,42.164) ; U1.26@73.311,57.036 73.311,56.012 73.45,55.873 v1(73.45,55.832)
  Bottom Layer w0.254: v1(20.832,36.993) 20.832,39.185 21.862,40.215 27.535,40.215 v1(27.569,40.249) ; v1(71.286,42.164) 72.009,42.164 72.517,42.672 72.517,54.899 v1(73.45,55.832)
UART2_RXD_2: R121.2 U1.87 | length 78.6
  Top Layer w0.254: 6.744,35.306 9.792,38.354 v1(22.733,38.354)
  Top Layer w0.3: R121.2@4.572,35.306 6.744,35.306 ; v1(37.973,62.805) 38.724,63.556 58.241,63.556 U1.87@58.261,63.536
  Bottom Layer w0.3: v1(22.733,38.354) 23.149,38.77 36.43,38.77 37.973,40.314 v1(37.973,62.805)
UART2_TXD_1: R118.2 U1.25 | length 75.9
  Top Layer w0.254: R118.2@15.24,34.141 18.878,34.141 v1(20.205,35.467) ; v1(27.12,40.698) 29.221,42.799 v1(71.286,42.799) ; U1.25@71.786,55.511 v1(72.263,55.511)
  Bottom Layer w0.254: v1(20.205,35.467) 20.205,39.636 21.267,40.698 v1(27.12,40.698) ; v1(71.286,42.799) 71.755,42.799 72.009,43.053 72.009,55.216 72.263,55.47 v1(72.263,55.511)
UART2_TXD_2: R120.2 U1.86 | length 82.6
  Top Layer w0.3: R120.2@4.572,32.849 9.105,32.849 9.281,33.025 9.281,36.449 10.551,37.719 v1(21.523,37.719) ; v1(37.414,62.805) 37.414,63.286 38.159,64.03 58.255,64.03 U1.86@58.261,64.036
  Bottom Layer w0.3: v1(21.523,37.719) 21.523,38.733 22.287,39.497 36.449,39.497 37.414,40.462 v1(37.414,62.805)
UART3_CTS: J2.25 U1.58 | length 27.7
  Top Layer w0.254: U1.58@68.286,70.561 68.286,79.502 68.286,81.961 68.286,83.561 68.286,86.233 68.286,89.021 cw(c70.826,89.021) 70.826,91.561 J2.25@76.117,91.561
UART3_RTS: J2.23 U1.59 | length 28.8
  Top Layer w0.254: U1.59@67.786,70.561 67.786,80.257 67.793,80.264 67.793,89.314 67.786,89.321 cw(c70.826,89.321) 70.826,92.361 J2.23@76.117,92.361
UART3_RXD: J2.13 U1.56 | length 38.2
  Top Layer w0.254: v4(69.206,89.408) cw(c69.206,89.328) 69.286,89.328 69.286,80.761 69.286,79.248 69.286,78.486 69.286,76.835 U1.56@69.286,70.561 ; v4(69.206,93.343) 69.206,93.853 cw(c72.246,93.853) 72.246,96.893 76.967,96.893 ccw(c76.967,98.285) 78.359,98.285 78.359,98.696 ccw(c77.494,98.696) 77.494,99.561 J2.13@76.117,99.561
  Bottom Layer w0.254: v4(69.206,89.408) v4(69.206,93.343)
UART3_TXD: J2.11 U1.55 | length 38.9
  Top Layer w0.254: U1.55@69.786,70.561 69.786,89.328 cw(c69.866,89.328) v4(69.866,89.408) ; v4(69.866,93.343) 69.866,93.853 cw(c72.406,93.853) 72.406,96.393 76.967,96.393 ccw(c76.967,98.285) 78.859,98.285 78.859,98.679 ccw(c77.304,98.679) 77.304,100.234 76.424,100.234 cw(c76.424,100.668) J2.11@76.117,100.361
  Bottom Layer w0.254: v4(69.866,89.408) v4(69.866,93.343)
UART4_RXD: R115.2 U1.24 | length 75
  Top Layer w0.254: U1.24@71.286,55.511 71.286,54.605 71.483,54.409 72.895,54.409 74.602,56.115 v1(86.741,56.115) ; v1(86.995,34.036) 86.995,33.235 86.951,33.191 88.011,32.131 118.554,32.131 120.498,30.187 R115.2@120.523,30.187
  Bottom Layer w0.254: v1(86.741,56.115) 86.741,56.009 86.995,55.755 v1(86.995,34.036)
UART4_TXD: R1.2 R117.2 | length 66.5
  Top Layer w0.254: R1.2@76.415,55.511 87.264,55.511 87.63,55.145 v1(87.63,54.605) ; v1(87.63,33.401) 87.601,33.372 87.601,33.206 87.586,33.191 88.05,32.727 R117.2@120.523,32.727
  Bottom Layer w0.254: v1(87.63,33.401) v1(87.63,54.605)
UART6_RXD: R91.1 U1.64 | length 52.8
  Top Layer w0.254: R91.1@20.07,78.398 20.07,77.593 21.166,76.498 v1(59.563,76.498) ; U1.64@65.286,69.97 v1@65.286,76.161
  Bottom Layer w0.254: v1(59.563,76.498) 65.024,76.498 v1(65.278,76.244)
UART6_TXD: R95.1 U1.63 | length 49.6
  Top Layer w0.254: R95.1@23.88,78.398 23.88,78 24.232,77.648 v1(58.363,77.648) ; U1.63@65.786,70.561 v1(65.786,77.648)
  Bottom Layer w0.254: v1@58.363,77.597 58.414,77.648 v1(65.786,77.648)
USB_N: R133.1 U1.70 | length 24.7
  Top Layer w0.254: R133.1@52.562,90.529 52.07,90.529 ccw(c52.07,90.275) 51.89,90.455 ccw(c52.07,90.275) 51.816,90.275 51.816,87.556 ccw(c54.356,87.556) 52.56,85.76 61.396,76.924 cw(c59.247,74.775) 62.286,74.775 62.286,71.501 62.294,71.493 62.294,70.561 U1.70@62.286,70.561
USB_P: R134.1 U1.71 | length 24.7
  Top Layer w0.254: R134.1@50.562,90.529 51.054,90.529 cw(c51.054,90.275) 51.234,90.455 cw(c51.054,90.275) 51.308,90.275 51.308,87.555 ccw(c54.353,87.555) 52.2,85.402 61.034,76.568 cw(c59.238,74.771) 61.778,74.771 61.778,71.001 61.786,70.993 U1.71@61.786,70.561
USIM_CLK: J2.12 R78.1 | length 57.6
  Top Layer w0.254: J2.12@85.217,99.961 85.344,99.834 99.671,99.834 125.464,74.041 130.841,74.041 R78.1@131.686,73.196
USIM_DATA: J2.10 R79.1 | length 59.2
  Top Layer w0.254: J2.10@85.217,100.761 85.344,100.634 100.003,100.634 125.834,74.803 131.419,74.803 R79.1@133.026,73.196
USIM_RST: J2.14 R77.1 | length 55.9
  Top Layer w0.254: J2.14@85.217,99.161 85.344,99.034 99.34,99.034 125.178,73.196 R77.1@130.346,73.196
USIM_VDD: C49.2 C54.2 J2.8 J3.1 R76.2 U7.5 | length 82.1
  Top Layer w0.254: J2.8@85.344,101.434 J2.8@85.217,101.561 83.527,101.561 83.185,101.219 83.185,97.79 83.439,97.536 99.568,97.536 125.73,71.374 J3.1@125.476,71.374 ; J3.1@126.873,71.374 v4(128.907,71.374) ; U7.5@132.334,67.864 132.334,66.58 v4(133.119,65.795) 133.119,64.947 C49.2@133.03,64.858 C54.2@134.372,64.858 ; R76.2@134.366,73.196 134.423,73.139 135.072,73.139 135.313,72.898 v4(135.382,72.898)
  Bottom Layer w0.254: v4(128.907,71.374) 134.874,71.374 135.382,70.866 ; v4(133.119,65.795) 135.382,68.058 135.382,70.866 ; v4(135.382,72.898) 135.382,70.866
VDDA: C8.2 C9.2 R4.2 R6.2 U1.22 | length 18.1
  Top Layer w0.254: R6.2@68.58,51.435 68.667,51.347 69.617,51.347 C9.2@69.704,51.26 69.704,48.663 69.853,48.514 72.622,48.514 72.771,48.663 C8.2@72.771,49.701 73.025,49.955 R4.2@73.025,51.435 73.152,51.562 73.787,51.562 74.041,51.816 74.041,53.213 73.607,53.647 70.554,53.647 70.286,53.915 U1.22@70.286,55.511
WiFi_EN: R135.2 U1.35 | length 53.6
  Top Layer w0.254: U1.35@73.311,61.536 73.313,61.534 75.576,61.534 76.574,60.536 93.873,60.536 93.916,60.579 122.809,60.579 123.628,59.76 R135.2@123.628,57.277
WiFi_MISO: R128.1 U1.31 | length 49.3
  Top Layer w0.254: U1.31@73.311,59.536 108.939,59.536 v5(108.966,59.563) ; v5(110.363,48.895) 110.77,48.488 R128.1@112.605,48.488
  Bottom Layer w0.254: v5(108.966,59.563) 110.109,58.42 110.109,49.149 v5(110.363,48.895)
WiFi_MOSI: R129.1 U1.32 | length 50.9
  Top Layer w0.254: U1.32@73.311,60.036 107.407,60.036 v5(107.442,60.071) ; 110.744,47.244 v5(110.998,46.99) 111.496,46.492 R129.1@112.605,46.492
  Bottom Layer w0.254: v5(107.442,60.071) 107.569,60.071 109.601,58.039 109.601,48.387 v5(110.998,46.99)
WiFi_nCS: R130.1 U1.29 | length 50.8
  Top Layer w0.254: U1.29@73.311,58.536 108.215,58.536 v5(108.331,58.42) ; v5(111.887,45.339) 111.887,45.21 R130.1@112.605,44.492
  Bottom Layer w0.254: v5(108.331,58.42) 108.966,57.785 108.966,48.26 v5(111.887,45.339)
WiFi_nRST: R131.1 U1.67 | length 71.3
  Top Layer w0.254: U1.67@63.786,70.561 63.786,72.946 63.824,72.984 v1(63.824,73.025) ; v1(73.736,73.196) 94.063,73.196 96.393,70.866 v1(96.52,70.866) ; v1(111.633,43.561) 111.633,43.543 112.659,42.517 R131.1@112.659,42.492
  Bottom Layer w0.254: v1(63.824,73.025) 66.396,73.025 66.586,73.215 73.717,73.215 v1(73.736,73.196) ; v1@96.592,70.938 104.902,62.627 104.902,60.325 108.204,57.023 108.204,46.99 v1(111.633,43.561)
WiFi_SCLK: R127.1 U1.30 | length 47.1
  Top Layer w0.254: U1.30@73.311,59.036 73.313,59.038 110.346,59.038 v5(110.354,59.046) ; v5(110.998,51.142) 111.648,50.492 R127.1@112.605,50.492
  Bottom Layer w0.254: v5(110.354,59.046) 110.769,58.63 110.769,51.371 v5(110.998,51.142)
pads on no net: BAT.0 J1.2 J1.3 J1.4 J2.3 J2.5 J2.6 J2.7 J2.16 J2.19 J2.24 J2.28 J2.30 J2.32 J2.33 J2.36 J2.38 J2.44 J2.45 J2.46 J2.47 J2.48 J2.49 J2.51 J3.5 J4.9 JP13.5 S1.1 U1.7 U6.8 U6.9 U6.10 U6.11 U6.13 U6.14 U6.15 U7.6
copper on no net:
  other v2: 35.179,-7.874 35.941,-7.874 36.703,-7.874 37.338,-7.874 37.973,-7.874 38.735,-7.874 49.403,-7.239 35.179,-7.112 35.941,-7.112 36.703,-7.112 37.338,-7.112 37.973,-7.112 38.735,-7.112 43.212,-7.112 43.974,-7.112 44.609,-7.112 45.244,-7.112 46.006,-7.112 49.403,-6.604 35.179,-6.35 35.941,-6.35 36.703,-6.35 37.338,-6.35 37.973,-6.35 38.735,-6.35 43.212,-6.35 43.974,-6.35 44.609,-6.35 45.244,-6.35 46.006,-6.35 49.403,-5.842 35.179,-5.588 35.941,-5.588 36.703,-5.588 37.338,-5.588 37.973,-5.588 38.735,-5.588 43.212,-5.588 43.974,-5.588 44.609,-5.588 45.244,-5.588 46.006,-5.588 49.403,-5.207 35.179,-4.953 35.941,-4.953 36.703,-4.953 37.338,-4.953 37.973,-4.953 38.735,-4.953 43.212,-4.953 43.974,-4.953 44.609,-4.953 45.244,-4.953 46.006,-4.953 35.941,-4.191 36.703,-4.191 37.338,-4.191 37.973,-4.191 38.735,-4.191
  other v8: 0,0 134,0 0,106 134,106

## Polygon pours and split planes (outlines as drawn)
GND on Top Layer "MP1584_GND2" (solid, pour order 12): 38.481,5.334 40.386,5.334 42.037,6.985 46.99,6.985 47.625,6.35 47.625,-1.397 47.117,-1.905 38.735,-1.905 38.481,-1.651
NetC31_2 on Top Layer "MP1584_SW" (solid, pour order 8): 38.481,12.065 38.481,13.462 39.751,13.462 40.259,13.97 40.259,21.59 40.767,22.098 46.136,22.098 46.482,21.752 46.482,9.144 40.259,9.144 40.259,11.43 39.624,12.065
GND on Top Layer "GND_MP1584" (solid, pour order 4): 33.751,4.572 33.808,4.629 33.808,5.518 35.25,6.96 35.25,8.255 35.504,8.509 39.243,8.509 39.243,11.303 28.702,11.303 27.94,12.065 27.94,13.716 28.448,14.224 35.179,14.224 35.179,15.494 33.655,15.494 33.655,18.034 36.703,18.034 36.703,20.701 34.417,20.701 34.036,20.32 34.036,19.177 33.655,18.796 28.067,18.796 27.178,17.907 27.178,6.127 28.733,4.572
NetC33_1 on Top Layer "MP1584_Vin" (solid, pour order 6): 34.417,3.937 34.417,-1.397 34.925,-1.905 37.592,-1.905 37.846,-1.651 37.846,8.001 37.592,8.255 37.338,8.255 37.084,8.001 37.084,5.461 35.56,3.937

## Keep-outs
Keep-Out Layer:
  lines w0.254: -3,-1.1 -3,107.1 cw(c-1.1,107.1) -1.1,109 135.1,109 cw(c135.1,107.1) 137,107.1 137,-1.1 cw(c135.1,-1.1) 135.1,-3 -1.1,-3 ; -2.995,-1.095 ccw(c-1.095,-1.095) -1.095,-2.995

## Silkscreen, mask and mechanical layers (free items; w line width, h text height)
Top Overlay:
  text "SWD" at 12.319,104.792 h0.8 r90
  text "RS485" at 0.635,102.338 h1
  text "B" at 5.461,100.203 h1 r270
  text "A" at 5.461,96.901 h1 r270
  text "GND" at 5.461,93.98 h1 r270
  text "B" at 5.461,88.819 h1 r270
  text "A" at 5.461,85.347 h1 r270
  text "GND" at 5.461,82.807 h1 r270
  text "RS485" at 1.524,79.502 h1 r180
  text "IIC.S2" at 0.127,75.819 h0.8
  text "IIC.S1" at 11.303,75.694 h0.8
  text "VCC GND SCL SDA" at 8.001,64.897 h0.6 r90
  text "SPI3" at 0.635,58.801 h0.8
  text "SPI2" at 11.938,58.801 h0.8
  text "3.3V GND" at 20.479,56.769 h0.8
  text "VCC GND SCL SDA" at 108.585,43.917 h0.6 r270
  text "IIC.2" at 89.03,43.18 h0.8 r90
  text "5V GND" at 21.082,42.926 h0.8
  text "VCC GND CSN SCLK MISO MOSI" at 8.001,42.672 h0.6 r90
  text "UART2.2" at 10.795,38.371 h0.7
  text "UART2.1" at -0.356,38.354 h0.7
  text "V_OUT" at 41.318,36.588 h0.8
  text "5V GND" at 41.09,29.151 h0.8
  text "VCC GND TXD RXD" at 8.001,27.686 h0.6 r90
  text "I/O IN" at 84.934,23.114 h0.8 r90
  text "I/O.OUT" at 99.441,22.622 h0.8 r90
  text "IO2 IO1 GND VCC" at 87.249,21.209 h0.6
  text "IO2 IO1 GND VCC" at 101.6,21.082 h0.6
  text "PWR" at 11.124,10.899 h0.8
  text "OFF" at 28.368,-2.333 h0.8
  text "ON" at 30.8,-2.333 h0.8
Mechanical 11:
  lines w0.2: 33.655,4.572 28.733,4.572 27.178,6.127 27.178,17.907 28.067,18.796 33.401,18.796 33.655,18.796 34.036,19.177 34.036,20.32 34.417,20.701 36.703,20.701 36.703,18.034 35.56,18.034 34.671,18.034 ; 33.751,4.572 33.751,5.461 35.25,6.96 35.25,8.255 35.504,8.509 39.243,8.509 39.243,11.303 28.702,11.303 27.94,12.065 27.94,13.716 28.448,14.224 35.179,14.224 35.179,15.494 33.655,15.494 33.655,18.034 34.544,18.034 ; 38.481,12.065 38.481,13.462 39.751,13.462 40.259,13.97 40.259,21.59 40.767,22.098 46.136,22.098 46.482,21.752 46.482,9.144 40.259,9.144 40.259,11.43 39.624,12.065 38.735,12.065 ; 47.625,-0.762 47.625,-1.397 47.117,-1.905 38.735,-1.905 38.481,-1.651 38.481,5.334 40.386,5.334 42.037,6.985 46.99,6.985 47.625,6.35 47.625,-0.635 ; 34.417,-1.397 34.925,-1.905 37.592,-1.905 37.846,-1.651 37.846,8.001 37.592,8.255 37.338,8.255 37.084,8.001 37.084,5.461 35.56,3.937 34.417,3.937 34.417,-1.397 ; 48.26,-0.762 48.514,-1.016 50.546,-1.016 50.8,-0.762 50.8,21.752 50.454,22.098 48.514,22.098 48.26,21.844 48.26,5.928 48.26,-0.762

## Text inside footprints (layer, text, board x,y; h text height)
J1: Mechanical 2 "PCB Edge" at -3.397,8.713 h0.41 r270
J2: Top Overlay "1" at 75.736,104.945 h1.2 r90
J4: Bottom Overlay "DC" at 48.997,103.861 h1 r90; Bottom Overlay "DP" at 50.876,103.861 h1 r90; Bottom Overlay "DM" at 52.959,103.861 h1 r90; Bottom Overlay "VCC" at 54.915,104.36 h1 r90; Bottom Overlay "GND" at 48.082,100.431 h1 r90; Bottom Overlay "DC" at 49.809,99.931 h1 r90; Bottom Overlay "ACT" at 51.765,100.431 h1 r90; Bottom Overlay "IN" at 53.797,99.847 h1 r90; Bottom Overlay "NC" at 56.007,99.931 h1 r90
J5: Top Overlay "GND" at 102.616,7.62 h1.27 r90; Top Overlay "SCL" at 102.743,12.938 h1.27 r90; Top Overlay "SDA" at 102.743,15.367 h1.27 r90; Top Overlay "VCC" at 102.743,10.287 h1.27 r90
JP1: Top Overlay "6" at 24.325,44.958 h1.02 r270; Top Overlay "5" at 21.785,44.958 h1.02 r270; Top Overlay "2" at 24.325,54.102 h1.02 r270; Top Overlay "1" at 21.785,53.848 h1.02 r270
JP2: Top Overlay "6" at 24.007,58.741 h1.02 r270; Top Overlay "5" at 21.467,58.741 h1.02 r270; Top Overlay "2" at 24.007,67.885 h1.02 r270; Top Overlay "1" at 21.467,67.631 h1.02 r270
JP13: Top Overlay "GPS" at 131.318,25.527 h4 r90; Top Overlay "VBAT" at 124.968,23.241 h0.6 r90; Top Overlay "GND" at 124.968,26.162 h0.6 r90; Top Overlay "TX" at 124.968,28.829 h0.6 r90; Top Overlay "RX" at 124.968,31.496 h0.6 r90; Top Overlay "PPS" at 124.968,33.655 h0.6 r90
P2: Top Overlay "GND" at 18.967,94.207 h1.27; Top Overlay "TX" at 14.249,94.207 h1.27; Top Overlay "RX" at 16.725,94.207 h1.27; Top Overlay "VCC" at 21.657,94.207 h1.27
S2: Top Overlay "1" at 98.219,9.795 h0.4 r90
S3: Top Overlay "1" at 107.915,28.654 h0.4
S4: Top Overlay "1" at 14.938,67.294 h0.4 r270
S5: Top Overlay "1" at 93.525,28.654 h0.4
S6: Top Overlay "1" at 3.889,67.294 h0.4 r270
S7: Top Overlay "1" at 15.04,45.466 h0.4 r270
S8: Top Overlay "1" at 120.752,22.622 h0.4 r90
S9: Top Overlay "1" at 91.139,46.761 h0.4
S10: Top Overlay "1" at 4.372,45.323 h0.4 r270
S11: Top Overlay "1" at 15.011,29.846 h0.4 r270
S12: Top Overlay "1" at 97.806,46.761 h0.4
S13: Top Overlay "1" at 4.324,30.21 h0.4 r270
S14: Top Overlay "1" at 104.219,46.761 h0.4